# Allegro board SG2042_EVB_V1_1.brd (continued)
## Routing (per net, layer and track width the routed paths; a pad name or vN(x,y) marks a point on that pad's centre or on a via; arc(x,y) is an arc through that point) (continued)
PCIE0_TXM[11]: length 2.2
  TOP w0.152: J2019.B28 244.08,61.7 C427.2
PCIE0_TXM[11]_L: length 156.1
  TOP w0.254: 247.04,61.7 C427.1
  ART03 w0.112: 149.8,76.65 149.8,76.67 149.88,76.75 149.88,84.17 150.1,84.4 150.36,84.4 150.47,84.51 U1.BK41
  ART03 w0.147: 149.8,76.65 149.8,72.35 155.24,66.92 155.24,65.83 187.08,33.99 220.64,33.99 228.91,42.26 228.91,60.33 234.81,66.23 239.21,66.23 241.21,64.23 245.64,64.23 arc(245.8,64.16) 245.87,64 245.87,63.99 arc(245.94,63.83) 246.1,63.76 246.23,63.76 arc(246.39,63.83) 246.46,63.99 246.46,64 arc(246.53,64.16) 246.69,64.23 247.38,64.23 247.76,63.85 247.76,61.79 247.55,61.57 247.18,61.57 247.04,61.7
PCIE0_TXM[12]: length 2.2
  TOP w0.152: J2019.B34 244.08,67.7 C431.2
PCIE0_TXM[12]_L: length 158.6
  TOP w0.254: 247.04,67.7 C431.1
  ART03 w0.112: 150.8,76.65 150.8,76.67 150.88,76.75 150.88,86.17 151.1,86.4 151.36,86.4 151.47,86.51 U1.BH42
  ART03 w0.147: 150.8,76.65 150.8,73.09 156.47,67.42 156.47,66.34 187.59,35.22 220.13,35.22 227.68,42.77 227.68,64.1 234.81,71.23 239.21,71.23 241.21,69.23 245.64,69.23 arc(245.8,69.16) 245.87,69 245.87,68.99 arc(245.94,68.83) 246.1,68.76 246.23,68.76 arc(246.39,68.83) 246.46,68.99 246.46,69 arc(246.53,69.16) 246.69,69.23 247.38,69.23 247.76,68.85 247.76,67.79 247.55,67.57 247.18,67.57 247.04,67.7
PCIE0_TXM[13]: length 2.2
  TOP w0.152: J2019.B38 244.08,71.7 C435.2
PCIE0_TXM[13]_L: length 157.1
  TOP w0.254: 247.04,71.7 C435.1
  ART03 w0.112: U1.BK43 152.47,84.51 152.36,84.4 152.1,84.4 151.88,84.17 151.88,76.75 151.8,76.67 151.8,76.65
  ART03 w0.147: 151.8,76.65 151.8,73.82 157.69,67.93 157.69,66.85 185.76,38.78 208.13,38.78 210.47,36.44 219.62,36.44 226.46,43.28 226.46,66.88 234.81,75.23 239.21,75.23 241.21,73.23 245.64,73.23 arc(245.8,73.16) 245.87,73 245.87,72.99 arc(245.94,72.83) 246.1,72.76 246.23,72.76 arc(246.39,72.83) 246.46,72.99 246.46,73 arc(246.53,73.16) 246.69,73.23 247.38,73.23 247.76,72.85 247.76,71.79 247.55,71.57 247.18,71.57 247.04,71.7
PCIE0_TXM[14]: length 2.2
  TOP w0.152: J2019.B42 244.08,75.7 C439.2
PCIE0_TXM[14]_L: length 159.7
  TOP w0.254: 247.04,75.7 C439.1
  ART03 w0.112: U1.BH44 153.47,86.51 153.36,86.4 153.1,86.4 152.88,86.17 152.88,76.75 152.8,76.67 152.8,76.65
  ART03 w0.147: 247.04,75.7 247.18,75.57 247.55,75.57 247.76,75.79 247.76,76.85 247.38,77.23 246.69,77.23 arc(246.53,77.16) 246.46,77 arc(246.39,76.83) 246.23,76.76 246.1,76.76 arc(245.94,76.83) 245.87,77 arc(245.8,77.16) 245.64,77.23 241.21,77.23 239.21,79.23 234.81,79.23 225.23,69.65 225.23,43.79 219.11,37.67 213.87,37.67 212.71,38.83 209.82,38.83 208.64,40.01 186.27,40.01 158.92,67.36 158.92,68.44 152.8,74.56 152.8,76.65
PCIE0_TXM[15]: length 2.2
  TOP w0.152: J2019.B46 244.08,79.7 C443.2
PCIE0_TXM[15]_L: length 159.2
  TOP w0.254: 247.04,79.7 C443.1
  ART03 w0.112: U1.BK45 154.47,84.51 154.36,84.4 154.1,84.4 153.88,84.17 153.88,76.75 153.8,76.67 153.8,76.65
  ART03 w0.147: 153.8,76.65 153.8,75.3 160.15,68.95 160.15,67.87 186.52,41.49 208.89,41.49 209.6,40.79 212.71,40.79 214.59,38.9 218.61,38.9 224,44.3 224,70.97 231.28,78.25 231.28,80.2 234.81,83.73 239.21,83.73 241.21,81.73 245.64,81.73 arc(245.8,81.66) 245.87,81.5 245.87,81.49 arc(245.94,81.33) 246.1,81.26 246.23,81.26 arc(246.39,81.33) 246.46,81.49 246.46,81.5 arc(246.53,81.66) 246.69,81.73 247.38,81.73 247.76,81.35 247.76,79.79 247.55,79.57 247.18,79.57 247.04,79.7
PCIE0_TXP[0]: length 2.2
  TOP w0.152: J2018.B14 284.72,48.09 C383.2
PCIE0_TXP[0]_L: length 211.9
  TOP w0.254: 287.68,48.09 C383.1
  ART03 w0.112: 138.14,76.65 138.14,76.67 138.07,76.75 138.07,84.1 138.18,84.21 138.36,84.21 138.47,84.1 U1.BL29
  ART03 w0.147: 287.68,48.09 287.82,48.23 288.33,48.23 288.75,48.65 288.75,50.49 288.17,51.07 282,51.07 280,53.07 275.31,53.07 270.39,48.15 270.39,43.24 247.99,20.84 178.91,20.84 169.88,29.87 169.88,30.92 140.91,59.89 140.91,60.97 138.14,63.74 138.14,76.65
PCIE0_TXP[1]: length 2.2
  TOP w0.152: C385.2 284.72,53.09 J2018.B19
PCIE0_TXP[1]_L: length 214.4
  TOP w0.254: 287.68,53.09 C385.1
  ART03 w0.112: U1.BJ30 139.47,86.1 139.36,86.21 139.18,86.21 139.07,86.1 139.07,76.75 139.14,76.67 139.14,76.65
  ART03 w0.147: 287.68,53.09 287.82,53.23 288.33,53.23 288.75,53.65 288.75,54.99 288.17,55.57 282,55.57 279.99,57.57 275.31,57.57 269.16,51.42 269.16,43.74 247.48,22.06 179.42,22.06 171.12,30.36 171.12,31.41 142.13,60.4 142.13,61.48 139.14,64.47 139.14,76.65
PCIE0_TXP[2]: length 2.2
  TOP w0.152: C389.2 284.72,57.09 J2018.B23
PCIE0_TXP[2]_L: length 213
  TOP w0.254: 287.68,57.09 C389.1
  ART03 w0.112: 140.14,76.65 140.14,76.67 140.07,76.75 140.07,84.1 140.18,84.21 140.36,84.21 140.47,84.1 U1.BL31
  ART03 w0.147: 140.14,76.65 140.14,65.21 143.36,61.99 143.36,60.91 172.35,31.92 172.35,30.87 179.92,23.29 246.97,23.29 267.93,44.25 267.93,54.2 275.31,61.57 279.99,61.57 282,59.57 288.17,59.57 288.75,58.99 288.75,57.65 288.33,57.23 287.82,57.23 287.68,57.09
PCIE0_TXP[3]: length 2.2
  TOP w0.152: C393.2 284.72,61.09 J2018.B27
PCIE0_TXP[3]_L: length 217.5
  TOP w0.254: 287.68,61.09 C393.1
  ART03 w0.112: 141.14,76.65 141.14,76.67 141.07,76.75 141.07,86.1 141.18,86.21 141.36,86.21 141.47,86.1 U1.BJ32
  ART03 w0.147: 141.14,76.65 141.14,65.94 144.59,62.5 144.59,61.42 173.58,32.43 173.58,31.37 180.43,24.52 246.46,24.52 266.71,44.76 266.71,57.97 275.31,66.57 279.99,66.57 282,64.57 288.17,64.57 288.75,63.99 288.75,61.65 288.33,61.23 287.82,61.23 287.68,61.09
PCIE0_TXP[4]: length 2.2
  TOP w0.152: J2018.B33 284.72,67.09 C397.2
PCIE0_TXP[4]_L: length 215.4
  TOP w0.254: 287.68,67.09 C397.1
  ART03 w0.112: U1.BL33 142.47,84.1 142.36,84.21 142.18,84.21 142.07,84.1 142.07,76.75 142.14,76.67 142.14,76.65
  ART03 w0.147: 287.68,67.09 287.82,67.23 288.33,67.23 288.75,67.65 288.75,68.99 288.17,69.57 282,69.57 279.99,71.57 275.31,71.57 265.48,61.74 265.48,46.31 244.91,25.75 180.94,25.75 174.81,31.88 174.81,32.93 145.81,61.93 145.81,63.01 142.14,66.68 142.14,76.65
PCIE0_TXP[5]: length 2.2
  TOP w0.152: J2018.B37 284.72,71.09 C401.2
PCIE0_TXP[5]_L: length 217.9
  TOP w0.254: 287.68,71.09 C401.1
  ART03 w0.112: 143.14,76.65 143.14,76.67 143.07,76.75 143.07,86.1 143.18,86.21 143.36,86.21 143.47,86.1 U1.BJ34
  ART03 w0.147: 143.14,76.65 143.14,67.41 147.04,63.52 147.04,62.43 176.03,33.44 176.03,32.39 181.45,26.97 244.4,26.97 264.25,46.82 264.25,64.52 275.31,75.57 279.99,75.57 282,73.57 288.17,73.57 288.75,72.99 288.75,71.65 288.33,71.23 287.82,71.23 287.68,71.09
PCIE0_TXP[6]: length 2.2
  TOP w0.152: C405.2 284.72,75.09 J2018.B41
PCIE0_TXP[6]_L: length 216.5
  TOP w0.254: 287.68,75.09 C405.1
  ART03 w0.112: 144.14,76.65 144.14,76.67 144.07,76.75 144.07,84.1 144.18,84.21 144.36,84.21 144.47,84.1 U1.BL35
  ART03 w0.147: 144.14,76.65 144.14,68.15 148.27,64.03 148.27,62.94 177.26,33.95 177.26,32.9 181.96,28.2 243.9,28.2 263.02,47.33 263.02,67.29 275.31,79.57 279.99,79.57 282,77.57 288.17,77.57 288.75,76.99 288.75,75.65 288.33,75.23 287.82,75.23 287.68,75.09
PCIE0_TXP[7]: length 2.2
  TOP w0.152: J2018.B45 284.72,79.09 C409.2
PCIE0_TXP[7]_L: length 220
  TOP w0.254: 287.68,79.09 C409.1
  ART03 w0.112: U1.BJ36 145.47,86.1 145.36,86.21 145.18,86.21 145.07,86.1 145.07,76.75 145.14,76.67 145.14,76.65
  ART03 w0.147: 145.14,76.65 145.14,68.88 149.49,64.53 149.49,63.45 178.49,34.46 178.49,33.41 182.47,29.43 243.39,29.43 261.8,47.84 261.8,70.56 275.31,84.07 279.99,84.07 282,82.07 288.17,82.07 288.75,81.49 288.75,79.65 288.33,79.23 287.82,79.23 287.68,79.09
PCIE0_TXP[8]: length 2.2
  TOP w0.152: J2019.B14 244.08,48.09 C413.2
PCIE0_TXP[8]_L: length 154.5
  TOP w0.254: 247.04,48.09 C413.1
  ART03 w0.112: U1.BJ38 147.47,86.1 147.36,86.21 147.18,86.21 147.07,86.1 147.07,76.75 147.14,76.67 147.14,76.65
  ART03 w0.147: 247.04,48.09 247.18,48.23 247.69,48.23 248.11,48.65 248.11,50.49 247.53,51.07 241.36,51.07 239.36,53.07 234.67,53.07 232.25,50.65 232.25,40.88 222.02,30.65 185.7,30.65 151.9,64.45 151.9,65.53 147.14,70.29 147.14,76.65
PCIE0_TXP[9]: length 2.2
  TOP w0.152: C417.2 244.08,53.09 J2019.B19
PCIE0_TXP[9]_L: length 153
  TOP w0.254: 247.04,53.09 C417.1
  ART03 w0.112: U1.BL39 148.47,84.1 148.36,84.21 148.18,84.21 148.07,84.1 148.07,76.75 148.14,76.67 148.14,76.65
  ART03 w0.147: 247.04,53.09 247.18,53.23 247.69,53.23 248.11,53.65 248.11,54.99 247.53,55.57 241.36,55.57 239.35,57.57 234.67,57.57 231.02,53.93 231.02,41.39 221.51,31.88 186.21,31.88 153.13,64.96 153.13,66.04 148.14,71.03 148.14,76.65
PCIE0_TXP[10]: length 2.2
  TOP w0.152: C421.2 244.08,57.09 J2019.B23
PCIE0_TXP[10]_L: length 155.6
  TOP w0.254: 247.04,57.09 C421.1
  ART03 w0.112: U1.BJ40 149.47,86.1 149.36,86.21 149.18,86.21 149.07,86.1 149.07,76.75 149.14,76.67 149.14,76.65
  ART03 w0.147: 149.14,76.65 149.14,71.76 154.36,66.55 154.36,65.47 186.72,33.11 221.01,33.11 229.79,41.89 229.79,56.7 234.67,61.57 239.35,61.57 241.36,59.57 247.53,59.57 248.11,58.99 248.11,57.65 247.69,57.23 247.18,57.23 247.04,57.09
PCIE0_TXP[11]: length 2.2
  TOP w0.152: C425.2 244.08,61.09 J2019.B27
PCIE0_TXP[11]_L: length 156.1
  TOP w0.254: 247.04,61.09 C425.1
  ART03 w0.112: 150.14,76.65 150.14,76.67 150.07,76.75 150.07,84.1 150.18,84.21 150.36,84.21 150.47,84.1 U1.BL41
  ART03 w0.147: 150.14,76.65 150.14,72.5 155.58,67.06 155.58,65.97 187.22,34.33 220.5,34.33 228.57,42.4 228.57,60.47 234.67,66.57 239.35,66.57 241.36,64.57 247.53,64.57 248.11,63.99 248.11,61.65 247.69,61.23 247.18,61.23 247.04,61.09
PCIE0_TXP[12]: length 2.2
  TOP w0.152: C429.2 244.08,67.09 J2019.B33
PCIE0_TXP[12]_L: length 158.6
  TOP w0.254: 247.04,67.09 C429.1
  ART03 w0.112: 151.14,76.65 151.14,76.67 151.07,76.75 151.07,86.1 151.18,86.21 151.36,86.21 151.47,86.1 U1.BJ42
  ART03 w0.147: 247.04,67.09 247.18,67.23 247.69,67.23 248.11,67.65 248.11,68.99 247.53,69.57 241.36,69.57 239.35,71.57 234.67,71.57 227.34,64.25 227.34,42.91 219.99,35.56 187.73,35.56 156.81,66.48 156.81,67.57 151.14,73.23 151.14,76.65
PCIE0_TXP[13]: length 2.2
  TOP w0.152: C433.2 244.08,71.09 J2019.B37
PCIE0_TXP[13]_L: length 157.2
  TOP w0.254: 247.04,71.09 C433.1
  ART03 w0.112: U1.BL43 152.47,84.1 152.36,84.21 152.18,84.21 152.07,84.1 152.07,76.75 152.14,76.67 152.14,76.65
  ART03 w0.147: 152.14,76.65 152.14,73.97 158.04,68.08 158.04,66.99 185.9,39.13 208.27,39.13 210.61,36.79 219.48,36.79 226.11,43.42 226.11,67.02 234.67,75.57 239.35,75.57 241.36,73.57 247.53,73.57 248.11,72.99 248.11,71.65 247.69,71.23 247.18,71.23 247.04,71.09
PCIE0_TXP[14]: length 2.2
  TOP w0.152: J2019.B41 244.08,75.09 C437.2
PCIE0_TXP[14]_L: length 159.7
  TOP w0.254: 247.04,75.09 C437.1
  ART03 w0.112: 153.14,76.65 153.14,76.67 153.07,76.75 153.07,86.1 153.18,86.21 153.36,86.21 153.47,86.1 U1.BJ44
  ART03 w0.147: 247.04,75.09 247.18,75.23 247.69,75.23 248.11,75.65 248.11,76.99 247.53,77.57 241.36,77.57 239.35,79.57 234.67,79.57 224.89,69.79 224.89,43.93 218.97,38.01 214.01,38.01 212.85,39.17 209.96,39.17 208.78,40.35 186.41,40.35 159.26,67.5 159.26,68.58 153.14,74.7 153.14,76.65
PCIE0_TXP[15]: length 2.2
  TOP w0.152: J2019.B45 244.08,79.09 C441.2
PCIE0_TXP[15]_L: length 159.3
  TOP w0.254: 247.04,79.09 C441.1
  ART03 w0.112: 154.14,76.65 154.14,76.67 154.07,76.75 154.07,84.1 154.18,84.21 154.36,84.21 154.47,84.1 U1.BL45
  ART03 w0.147: 247.04,79.09 247.18,79.23 247.69,79.23 248.11,79.65 248.11,81.49 247.53,82.07 241.36,82.07 239.35,84.07 234.67,84.07 230.94,80.34 230.94,78.39 223.66,71.12 223.66,44.44 218.46,39.24 214.74,39.24 212.85,41.13 209.74,41.13 209.03,41.83 186.66,41.83 160.49,68.01 160.49,69.09 154.14,75.44 154.14,76.65
PCIE1_0_REFCLK_M: length 122.3
  TOP w0.091: R281.2 133.22,20.32 R290.1 132.77,20.35 132.68,20.25 132.68,20.15 132.59,20.06 132.2,20.06 130.93,18.79 130.93,13.84 129.04,11.94 117.96,11.94 97.07,32.83 arc(97.04,32.91) 97.07,33 arc(97.11,33.09) 97.07,33.17 96.99,33.26 arc(96.9,33.3) 96.81,33.26 arc(96.73,33.22) 96.64,33.26 96.39,33.51 v1(96.39,33.78)
  ART03 w0.084: v1(129.47,86.65) 129.47,86.46 129.39,86.38 129.07,86.38 128.88,86.18 128.88,76.74 128.8,76.67 128.8,76.65
  ART03 w0.107: 128.8,76.65 128.8,68.49 125.25,64.93 125.25,63.94 97.41,36.11 97.41,35.62 arc(97.35,35.47) 97.2,35.41 97.05,35.41 arc(96.83,35.19) 97.05,34.98 97.2,34.98 arc(97.35,34.92) 97.41,34.77 97.41,33.98 96.69,33.26 96.54,33.26 96.39,33.41 v1(96.39,33.78)
PCIE1_0_REFCLK_P: length 122.3
  TOP w0.091: v1(95.88,33.27) 96.15,33.27 117.82,11.61 129.18,11.61 131.27,13.7 131.27,18.65 132.34,19.72 132.59,19.72 132.68,19.63 132.68,19.52 132.77,19.43 R291.1 133.22,19.46 R280.2
  ART03 w0.084: 129.14,76.65 129.14,76.67 129.07,76.74 129.07,86.1 129.15,86.19 129.39,86.19 129.47,86.1 v1(129.47,85.65)
  ART03 w0.107: v1(95.88,33.27) 96.05,33.27 96.05,33.27 96.4,32.92 96.83,32.92 97.75,33.84 97.75,35.97 125.58,63.8 125.58,64.79 129.14,68.35 129.14,76.65
PCIE1_1_REFCLK_M: length 118.8
  TOP w0.091: R283.2 133.22,16.87 R288.1 132.77,16.89 132.68,16.8 132.68,16.69 132.59,16.6 132.2,16.6 131.82,16.22 131.82,13.47 129.4,11.06 114.78,11.06 95.04,30.8 arc(95,30.88) 95.04,30.97 arc(95.08,31.06) 95.04,31.14 94.96,31.23 arc(94.87,31.26) 94.78,31.23 arc(94.7,31.19) 94.61,31.23 94.36,31.48 v1(94.36,31.75)
  ART10 w0.084: v1(129.47,81.65) 130.07,81.05 130.07,76.74 130.14,76.67 130.14,76.65
  ART10 w0.107: v1(94.36,31.75) 93.91,31.75 93.8,31.87 93.8,32.02 94.05,32.27 94.2,32.27 94.37,32.44 94.37,32.59 94.53,32.75 94.68,32.75 94.85,32.92 94.85,33.07 125.58,63.8 125.58,64.79 130.14,69.35 130.14,76.65
PCIE1_1_REFCLK_P: length 118.7
  TOP w0.091: R282.2 133.22,16 R289.1 132.77,15.98 132.68,16.07 132.68,16.17 132.59,16.26 132.34,16.26 132.16,16.08 132.16,13.33 129.54,10.72 114.64,10.72 94.12,31.24 v1(93.85,31.24)
  ART10 w0.084: v1(129.47,80.65) 129.47,81.03 129.56,81.11 129.74,81.11 129.88,80.97 129.88,76.73 129.8,76.66 129.8,76.65
  ART10 w0.107: v1(93.85,31.24) 93.85,31.34 93.46,31.73 93.46,32.16 125.25,63.94 125.25,64.93 129.8,69.49 129.8,76.65
PCIE1_2_REFCLK_M: length 205.9
  TOP w0.091: J1104.A14 28.65,100.9 28.74,100.99 28.74,101.14 28.83,101.23 29.48,101.23 R286.1 30.2,100.94 30.29,101.03 30.29,101.14 30.38,101.23 31.03,101.23 32.07,100.19 32.07,26.23 32.74,25.56 33.52,25.56 v1(33.68,25.4) ; R285.2 v1(138.86,25.6)
  ART03 w0.107: v1(138.86,25.6) 139.63,25.6 139.73,25.71 139.73,26 139.55,26.18 138.28,26.18 arc(138.13,26.12) 138.07,25.97 138.07,25.93 arc(137.85,25.72) 137.64,25.93 137.64,25.97 arc(137.58,26.12) 137.43,26.18 136.77,26.18 136.1,25.51 136.1,18.4 129.41,11.71 104.32,11.71 97.49,18.54 41.73,18.54 34.72,25.56 33.84,25.56 v1(33.68,25.4)
PCIE1_2_REFCLK_P: length 205.9
  TOP w0.091: R2107.1 v1(140.94,25.6) ; v1(33.68,26.06) 33.52,25.9 32.88,25.9 32.41,26.37 32.41,100.33 31.17,101.57 30.38,101.57 30.29,101.66 30.29,101.77 30.2,101.86 R287.1 29.48,101.57 28.83,101.57 28.74,101.66 28.74,101.81 28.65,101.9 J1104.A13
  ART03 w0.107: v1(140.94,25.6) 140.18,25.6 140.07,25.71 140.07,26.14 139.69,26.52 136.63,26.52 135.76,25.65 135.76,18.54 129.27,12.05 104.46,12.05 97.63,18.88 41.87,18.88 34.86,25.9 33.84,25.9 v1(33.68,26.06)
PCIE1_ATB_0: length 98.7
  TOP w0.102: U1.E30 v1(138.97,130.15) ; T38.1 v1(195.94,197.61)
  ART10 w0.102: v1(195.94,197.61) 195,196.67 195,185.74 174.28,165.02 164.52,165.02 138.34,138.84 138.34,131.68 138.59,131.43 138.59,130.53 v1(138.97,130.15)
PCIE1_ATB_1: length 103.2
  TOP w0.102: T39.1 v1(63.98,184.53) ; U1.F28 v1(136.97,129.15)
  BOTTOM w0.102: v1(136.97,129.15) 137.59,129.77 137.59,137.64 119.96,155.27 114.6,155.27 87.16,182.7 65.81,182.7 v1(63.98,184.53)
PCIE1_L0_CLKREQ_IN_X: length 288.4
  TOP w0.102: U1.A19 128.47,141.31 127.48,142.3 127.48,153.25 124.98,155.75 106.29,155.75 92.43,169.62 91.34,169.62 79.99,180.97 54.53,180.97 v1(52.83,182.68) ; U814.7 v1(199.86,217.46)
  ART10 w0.102: v1(52.83,182.68) 50.72,184.78 50.72,188.44 51.13,188.85 51.13,207.52 51.87,208.26 v1(51.87,211.05)
  BOTTOM w0.102: v1(51.87,211.05) 53.01,212.19 105.49,212.19 106.99,213.69 168.19,213.69 171.57,217.07 199.46,217.07 v1(199.86,217.46)
PCIE1_L0_CLKREQ_IN_X_H: length 299.5
  TOP w0.102: v1(16.51,102.98) R2415.1 R2406.1 18.06,102.9 J1104.B12 ; v1(211.56,215.42) 209.83,217.14 R1315.2
  ART10 w0.102: v1(39.75,210.24) 39.55,210.03 39.55,187.29 24.92,172.66 24.92,139.01 14.68,128.77 14.68,104.81 v1(16.51,102.98)
  BOTTOM w0.102: v1(39.75,210.24) 41.13,210.24 41.54,209.83 52.27,209.83 53.82,211.38 105.83,211.38 107.33,212.88 201.01,212.88 202.81,214.68 210.82,214.68 v1(211.56,215.42)
PCIE1_L0_RESET_X: length 386.2
  TOP w0.102: U1.H27 v1(135.97,127.15) ; v1(197.26,221.37) 197.26,218.51 198.96,216.81 U814.8 ; R2281.2 v1(17.09,139.88)
  ART10 w0.102: v1(38.05,211.46) 38.05,210.92 37.67,210.54 37.67,197.38 28.76,188.47 27.93,188.47 17.88,178.43 17.88,175.23 17.75,175.1 17.75,153.48 17.48,153.2 17.48,140.26 v1(17.09,139.88) ; v1(197.26,221.37) 197.51,221.12 197.51,203.95 194.79,201.24 194.79,200.05 193.57,198.83 193.57,186.41 174.48,167.31 164.8,167.31 136.81,139.33 136.81,131.6 136.59,131.38 136.59,127.77 v1(135.97,127.15)
  BOTTOM w0.102: v1(38.05,211.46) 40.03,211.46 43.07,214.5 46.62,214.5 48.52,212.6 105.32,212.6 106.82,214.1 168.02,214.1 175.29,221.37 v1(197.26,221.37)
PCIE1_L0_RESET_X_H: length 308.7
  TOP w0.102: v1(210.69,215.42) 209.83,216.28 R1333.2 ; J1104.A11 28.57,105.9 29.39,105.08 R2407.1 R2416.1 v1(30.63,105.69)
  ART10 w0.102: v1(30.63,105.69) 30.42,105.49 18.26,105.49 15.09,108.66 15.09,128.6 25.32,138.84 25.32,172.49 39.95,187.12 39.95,209.61 40.56,210.22 v1(40.56,211.05)
  BOTTOM w0.102: v1(40.56,211.05) 40.89,211.05 41.71,210.24 52.1,210.24 53.65,211.79 105.66,211.79 107.16,213.28 200.84,213.28 202.64,215.09 208.96,215.09 209.67,215.8 210.31,215.8 v1(210.69,215.42)
PCIE1_L0_WAKEUP_X: length 290
  TOP w0.089: 128.14,133.91 128.08,133.85 128.08,133.04 U1.B19
  TOP w0.102: v1(51.97,182.68) 51.97,182.7 53.9,180.77 79.91,180.77 91.26,169.42 92.34,169.42 106.21,155.55 124.89,155.55 127.28,153.17 127.28,142.22 128.14,141.36 128.14,133.91 ; U814.9 v1(199.86,216.16)
  ART10 w0.102: v1(51.97,182.68) 50.52,184.12 50.52,188.53 50.93,188.93 50.93,207.61 51.46,208.14 v1(51.46,210.64)
  BOTTOM w0.102: v1(199.86,216.16) 199.16,216.87 171.65,216.87 168.27,213.49 107.08,213.49 105.58,211.99 53.57,211.99 52.22,210.64 v1(51.46,210.64)
PCIE1_L0_WAKEUP_X_H: length 292.5
  TOP w0.102: R1313.2 v1(209.83,215.42) ; J1104.B11 18.06,105.9 R2408.1 R2417.1 v1(16.51,105.82)
  ART10 w0.102: v1(16.51,105.82) 14.88,107.45 14.88,128.69 25.12,138.92 25.12,172.58 39.75,187.21 39.75,209.7 40.16,210.1 v1(40.16,210.64)
  BOTTOM w0.102: v1(209.83,215.42) 209.3,214.88 202.73,214.88 200.92,213.08 107.24,213.08 105.75,211.58 53.74,211.58 52.19,210.03 41.62,210.03 41.01,210.64 v1(40.16,210.64)
PCIE1_L1_CLKREQ_IN_X: length 102.6
  TOP w0.102: T35.1 v1(194.46,198.78) ; U1.H28 v1(136.97,127.15)
  ART10 w0.102: v1(194.46,198.78) 194.08,198.4 194.08,186.19 174.69,166.8 165.01,166.8 137.35,139.15 137.35,127.53 v1(136.97,127.15)
PCIE1_L1_RESET_X: length 369.5
  TOP w0.102: U1.G27 v1(135.97,128.15) ; R2282.2 v1(17.09,142.42)
  ART10 w0.102: v1(17.09,142.42) 17.09,153.1 17.55,153.56 17.55,175.18 17.68,175.31 17.68,178.51 27.84,188.68 28.67,188.68 37.47,197.47 37.47,210.87 v1(37.64,211.05) ; v1(135.97,128.15) 136.35,128.53 136.35,131.5 136.61,131.76 136.61,139.41 164.71,167.51 174.39,167.51 193.37,186.49 193.37,198.92 194.59,200.13 194.59,201.15 194.59,201.32 197.31,204.04 197.31,217.27 v1(197.13,217.45)
  BOTTOM w0.102: v1(37.64,211.05) 39.91,211.05 43.16,214.3 46.53,214.3 48.44,212.39 105.41,212.39 106.91,213.89 168.1,213.89 171.48,217.27 196.95,217.27 v1(197.13,217.45)
PCIE1_L1_WAKEUP_X: length 101.5
  TOP w0.102: T36.1 v1(63.98,183.62) ; U1.E28 v1(136.97,130.15)
  BOTTOM w0.102: v1(136.97,130.15) 137.35,130.53 137.35,137.59 119.88,155.07 114.51,155.07 87.08,182.5 65.1,182.5 v1(63.98,183.62)
PCIE1_REXT: length 40.1
  TOP w0.102: U1.F29 v1(138.97,129.15)
  BOTTOM w0.102: 157.3,160.91 157.3,155.41 139.35,137.46 139.35,129.53 v1(138.97,129.15)
PCIE1_RXM[0]: length 162.6
  TOP w0.381: J1104.A17 28.64,97.9 v1(28.83,98.09)
  ART10 w0.112: v1(121.47,81.65) 122.07,81.05 122.07,76.74 122.14,76.66 122.14,76.65
  ART10 w0.147: v1(28.83,98.09) 28.96,98.23 30.35,98.23 49.06,79.52 49.06,43.81 53.99,38.88 61.34,38.88 63.24,40.79 66.35,40.79 67.05,41.49 89.42,41.49 115.79,67.86 115.79,68.85 122.14,75.2 122.14,76.65
PCIE1_RXM[1]: length 159.1
  TOP w0.381: v1(28.83,93.09) 28.64,92.9 J1104.A22
  ART10 w0.112: 123.14,76.65 123.14,76.66 123.07,76.74 123.07,79.05 v1(122.47,79.65)
  ART10 w0.147: v1(28.83,93.09) 28.96,93.23 30.35,93.23 47.83,75.75 47.83,43.3 53.48,37.66 62.07,37.66 63.23,38.82 66.12,38.82 67.31,40.01 89.68,40.01 117.02,67.35 117.02,68.34 123.14,74.46 123.14,76.65
PCIE1_RXM[2]: length 160.6
  TOP w0.381: v1(28.83,89.09) 28.64,88.9 J1104.A26
  ART10 w0.112: v1(123.47,81.65) 124.07,81.05 124.07,76.74 124.14,76.66 124.14,76.65
  ART10 w0.147: v1(28.83,89.09) 28.96,89.23 30.35,89.23 46.61,72.97 46.61,42.8 52.97,36.43 65.47,36.43 67.82,38.78 90.19,38.78 118.25,66.84 118.25,67.83 124.14,73.73 124.14,76.65
PCIE1_RXM[3]: length 158
  TOP w0.381: J1104.A30 28.64,84.9 v1(28.83,85.09)
  ART10 w0.112: 125.14,76.65 125.14,76.66 125.07,76.74 125.07,79.05 v1(124.47,79.65)
  ART10 w0.147: 125.14,76.65 125.14,72.99 119.47,67.32 119.47,66.34 88.34,35.2 52.46,35.2 45.38,42.29 45.38,70.2 30.35,85.23 28.96,85.23 v1(28.83,85.09)
PCIE1_RXM[4]: length 157.5
  TOP w0.381: v1(28.83,79.09) 28.64,78.9 J1104.A36
  ART10 w0.112: v1(125.47,81.65) 126.07,81.05 126.07,76.74 126.14,76.66 126.14,76.65
  ART10 w0.147: 126.14,76.65 126.14,72.26 120.7,66.81 120.7,65.83 88.85,33.98 51.95,33.98 44.15,41.78 44.15,65.43 30.35,79.23 28.96,79.23 v1(28.83,79.09)
PCIE1_RXM[5]: length 155
  TOP w0.381: v1(28.83,75.09) 28.64,74.9 J1104.A40
  ART10 w0.112: v1(126.47,79.65) 127.07,79.05 127.07,76.74 127.14,76.66 127.14,76.65
  ART10 w0.147: 127.14,76.65 127.14,71.52 121.93,66.3 121.93,65.32 89.36,32.75 51.45,32.75 42.93,41.27 42.93,62.65 30.35,75.23 28.96,75.23 v1(28.83,75.09)
PCIE1_RXM[6]: length 156.4
  TOP w0.381: v1(28.83,71.09) 28.64,70.9 J1104.A44
  ART10 w0.112: v1(127.47,81.65) 128.07,81.05 128.07,76.74 128.14,76.66 128.14,76.65
  ART10 w0.147: 128.14,76.65 128.14,70.78 123.15,65.8 123.15,64.81 89.87,31.52 50.94,31.52 41.7,40.76 41.7,59.88 30.35,71.23 28.96,71.23 v1(28.83,71.09)
PCIE1_RXM[7]: length 153.9
  TOP w0.381: v1(28.83,67.09) 28.64,66.9 J1104.A48
  ART10 w0.112: v1(128.47,79.65) 129.07,79.05 129.07,76.74 129.14,76.66 129.14,76.65
  ART10 w0.147: 129.14,76.65 129.14,70.05 124.38,65.29 124.38,64.3 90.38,30.3 50.43,30.3 40.47,40.25 40.47,57.11 30.35,67.23 28.96,67.23 v1(28.83,67.09)
PCIE1_RXM[8]: length 154.4
  TOP w0.381: v1(28.83,62.09) 28.64,61.9 J1104.A53
  ART10 w0.112: 131.14,76.65 131.14,76.66 131.07,76.74 131.07,79.05 v1(130.47,79.65)
  ART10 w0.147: v1(28.83,62.09) 28.96,62.23 30.35,62.23 39.25,53.33 39.25,39.74 49.92,29.07 93.6,29.07 98.95,34.43 98.95,35.47 126.79,63.3 126.79,64.29 131.14,68.64 131.14,76.65
PCIE1_RXM[9]: length 155.8
  TOP w0.381: v1(28.83,58.09) 28.64,57.9 J1104.A57
  ART10 w0.112: 132.14,76.65 132.14,76.66 132.07,76.74 132.07,81.05 v1(131.47,81.65)
  ART10 w0.147: 132.14,76.65 132.14,67.91 128.02,63.78 128.02,62.8 100.18,34.96 100.18,33.92 94.1,27.84 49.41,27.84 38.02,39.24 38.02,50.56 30.35,58.23 28.96,58.23 v1(28.83,58.09)
PCIE1_RXM[10]: length 153.3
  TOP w0.381: J1104.A61 28.64,53.9 v1(28.83,54.09)
  ART10 w0.112: v1(132.47,79.65) 133.07,79.05 133.07,76.75 133.14,76.67 133.14,76.65
  ART10 w0.147: v1(28.83,54.09) 28.96,54.23 30.35,54.23 36.79,47.79 36.79,38.73 48.9,26.62 94.61,26.62 101.41,33.41 101.41,34.45 129.24,62.29 129.24,63.27 133.14,67.17 133.14,76.65
PCIE1_RXM[11]: length 154.7
  TOP w0.381: v1(28.83,50.09) 28.64,49.9 J1104.A65
  ART10 w0.112: 134.14,76.65 134.14,76.66 134.07,76.74 134.07,81.05 v1(133.47,81.65)
  ART10 w0.147: v1(28.83,50.09) 28.96,50.23 30.35,50.23 35.57,45.01 35.57,38.22 48.39,25.39 95.12,25.39 102.63,32.9 102.63,33.94 130.47,61.78 130.47,62.76 134.14,66.44 134.14,76.65
PCIE1_RXM[12]: length 152.2
  TOP w0.381: v1(28.83,46.09) 28.64,45.9 J1104.A69
  ART10 w0.112: v1(134.47,79.65) 135.07,79.05 135.07,76.74 135.14,76.66 135.14,76.65
  ART10 w0.147: 135.14,76.65 135.14,65.7 131.7,62.26 131.7,61.27 103.86,33.43 103.86,32.39 95.63,24.16 47.89,24.16 34.34,37.71 34.34,42.24 30.35,46.23 28.96,46.23 v1(28.83,46.09)
PCIE1_RXM[13]: length 153.7
  TOP w0.381: v1(28.83,42.09) 28.64,41.9 J1104.A73
  ART10 w0.112: 136.14,76.65 136.14,76.67 136.07,76.75 136.07,81.05 v1(135.47,81.65)
  ART10 w0.147: v1(28.83,42.09) 28.96,42.23 30.35,42.23 33.11,39.47 33.11,37.2 47.38,22.94 96.14,22.94 105.09,31.89 105.09,32.93 132.92,60.76 132.92,61.75 136.14,64.97 136.14,76.65
PCIE1_RXM[14]: length 151.1
  TOP w0.381: J1104.A77 28.64,37.9 v1(28.83,38.09)
  ART10 w0.112: 137.14,76.65 137.14,76.66 137.07,76.74 137.07,79.05 v1(136.47,79.65)
  ART10 w0.147: v1(28.83,38.09) 28.96,38.23 30.35,38.23 46.87,21.71 96.65,21.71 106.31,31.38 106.31,32.42 134.15,60.25 134.15,61.24 137.14,64.23 137.14,76.65
